# Altium PCB can_gateway_v3s_hardwave.PcbDoc (part 1 of 2)
Units mil, origin at the board's own origin, x right, y up, seen from the top; angles counter-clockwise.
Board outline 3937.01 x 2637.8 mil, 2 copper layers (Top Layer, Bottom Layer); 219 components, 180 nets, 793 pads, 179 vias.
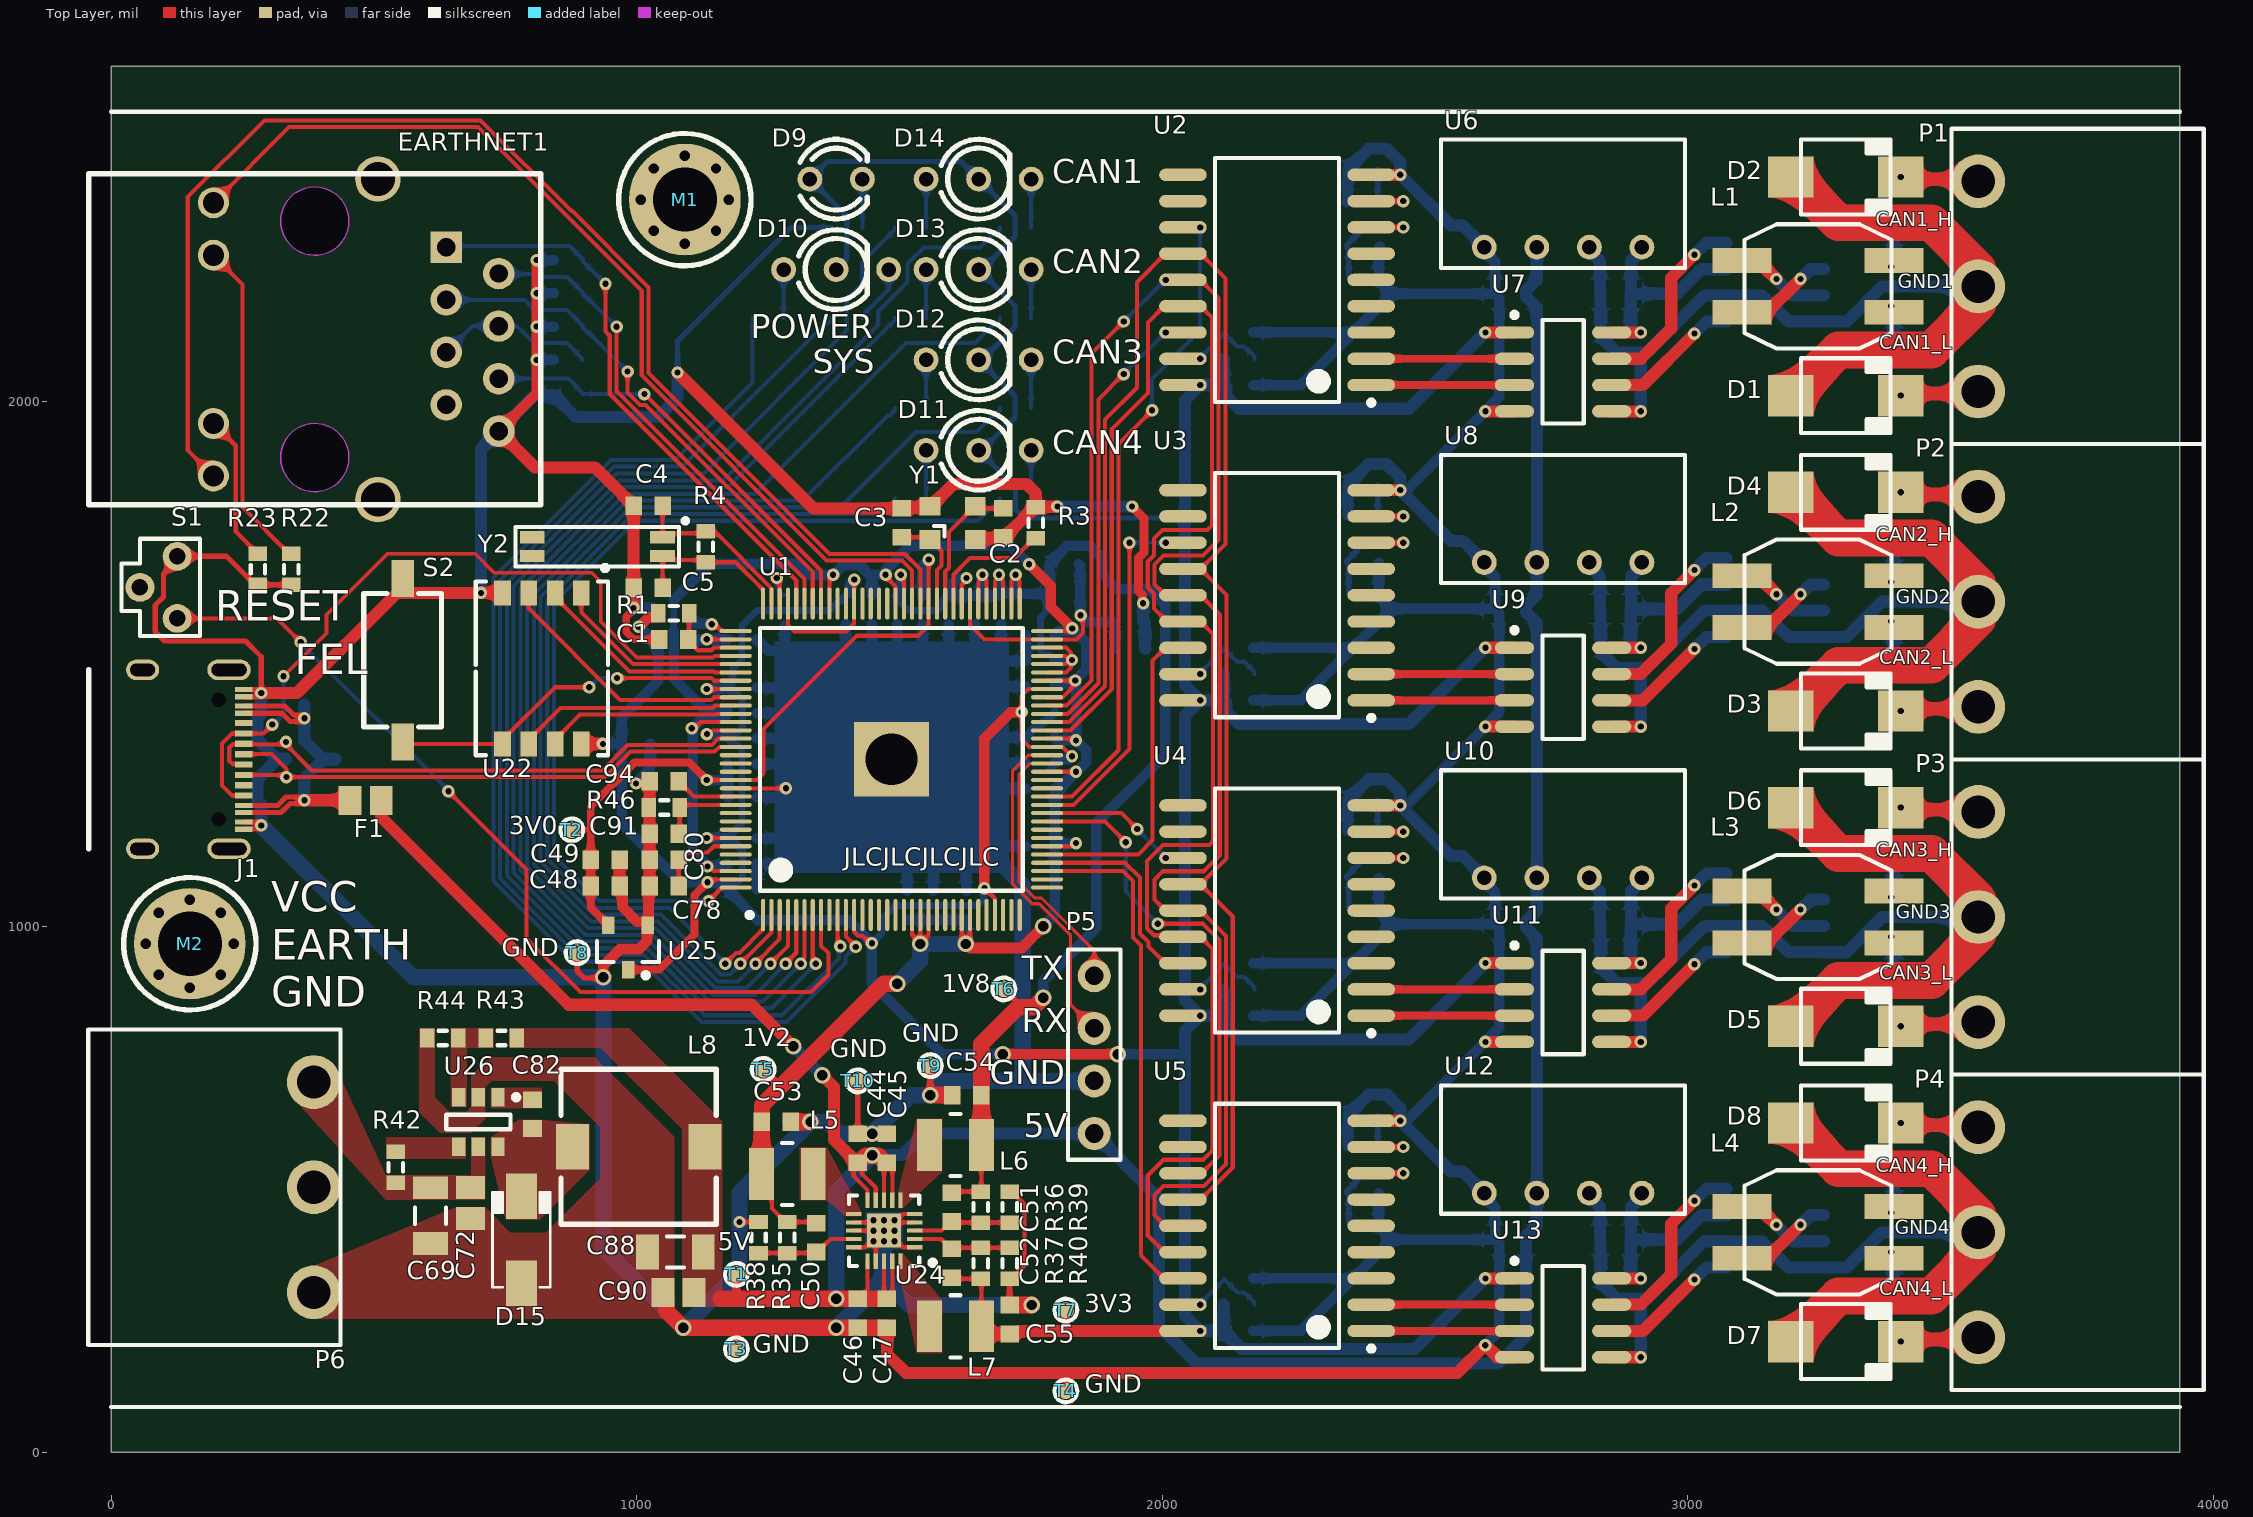
[diagram p0: Top Layer view]
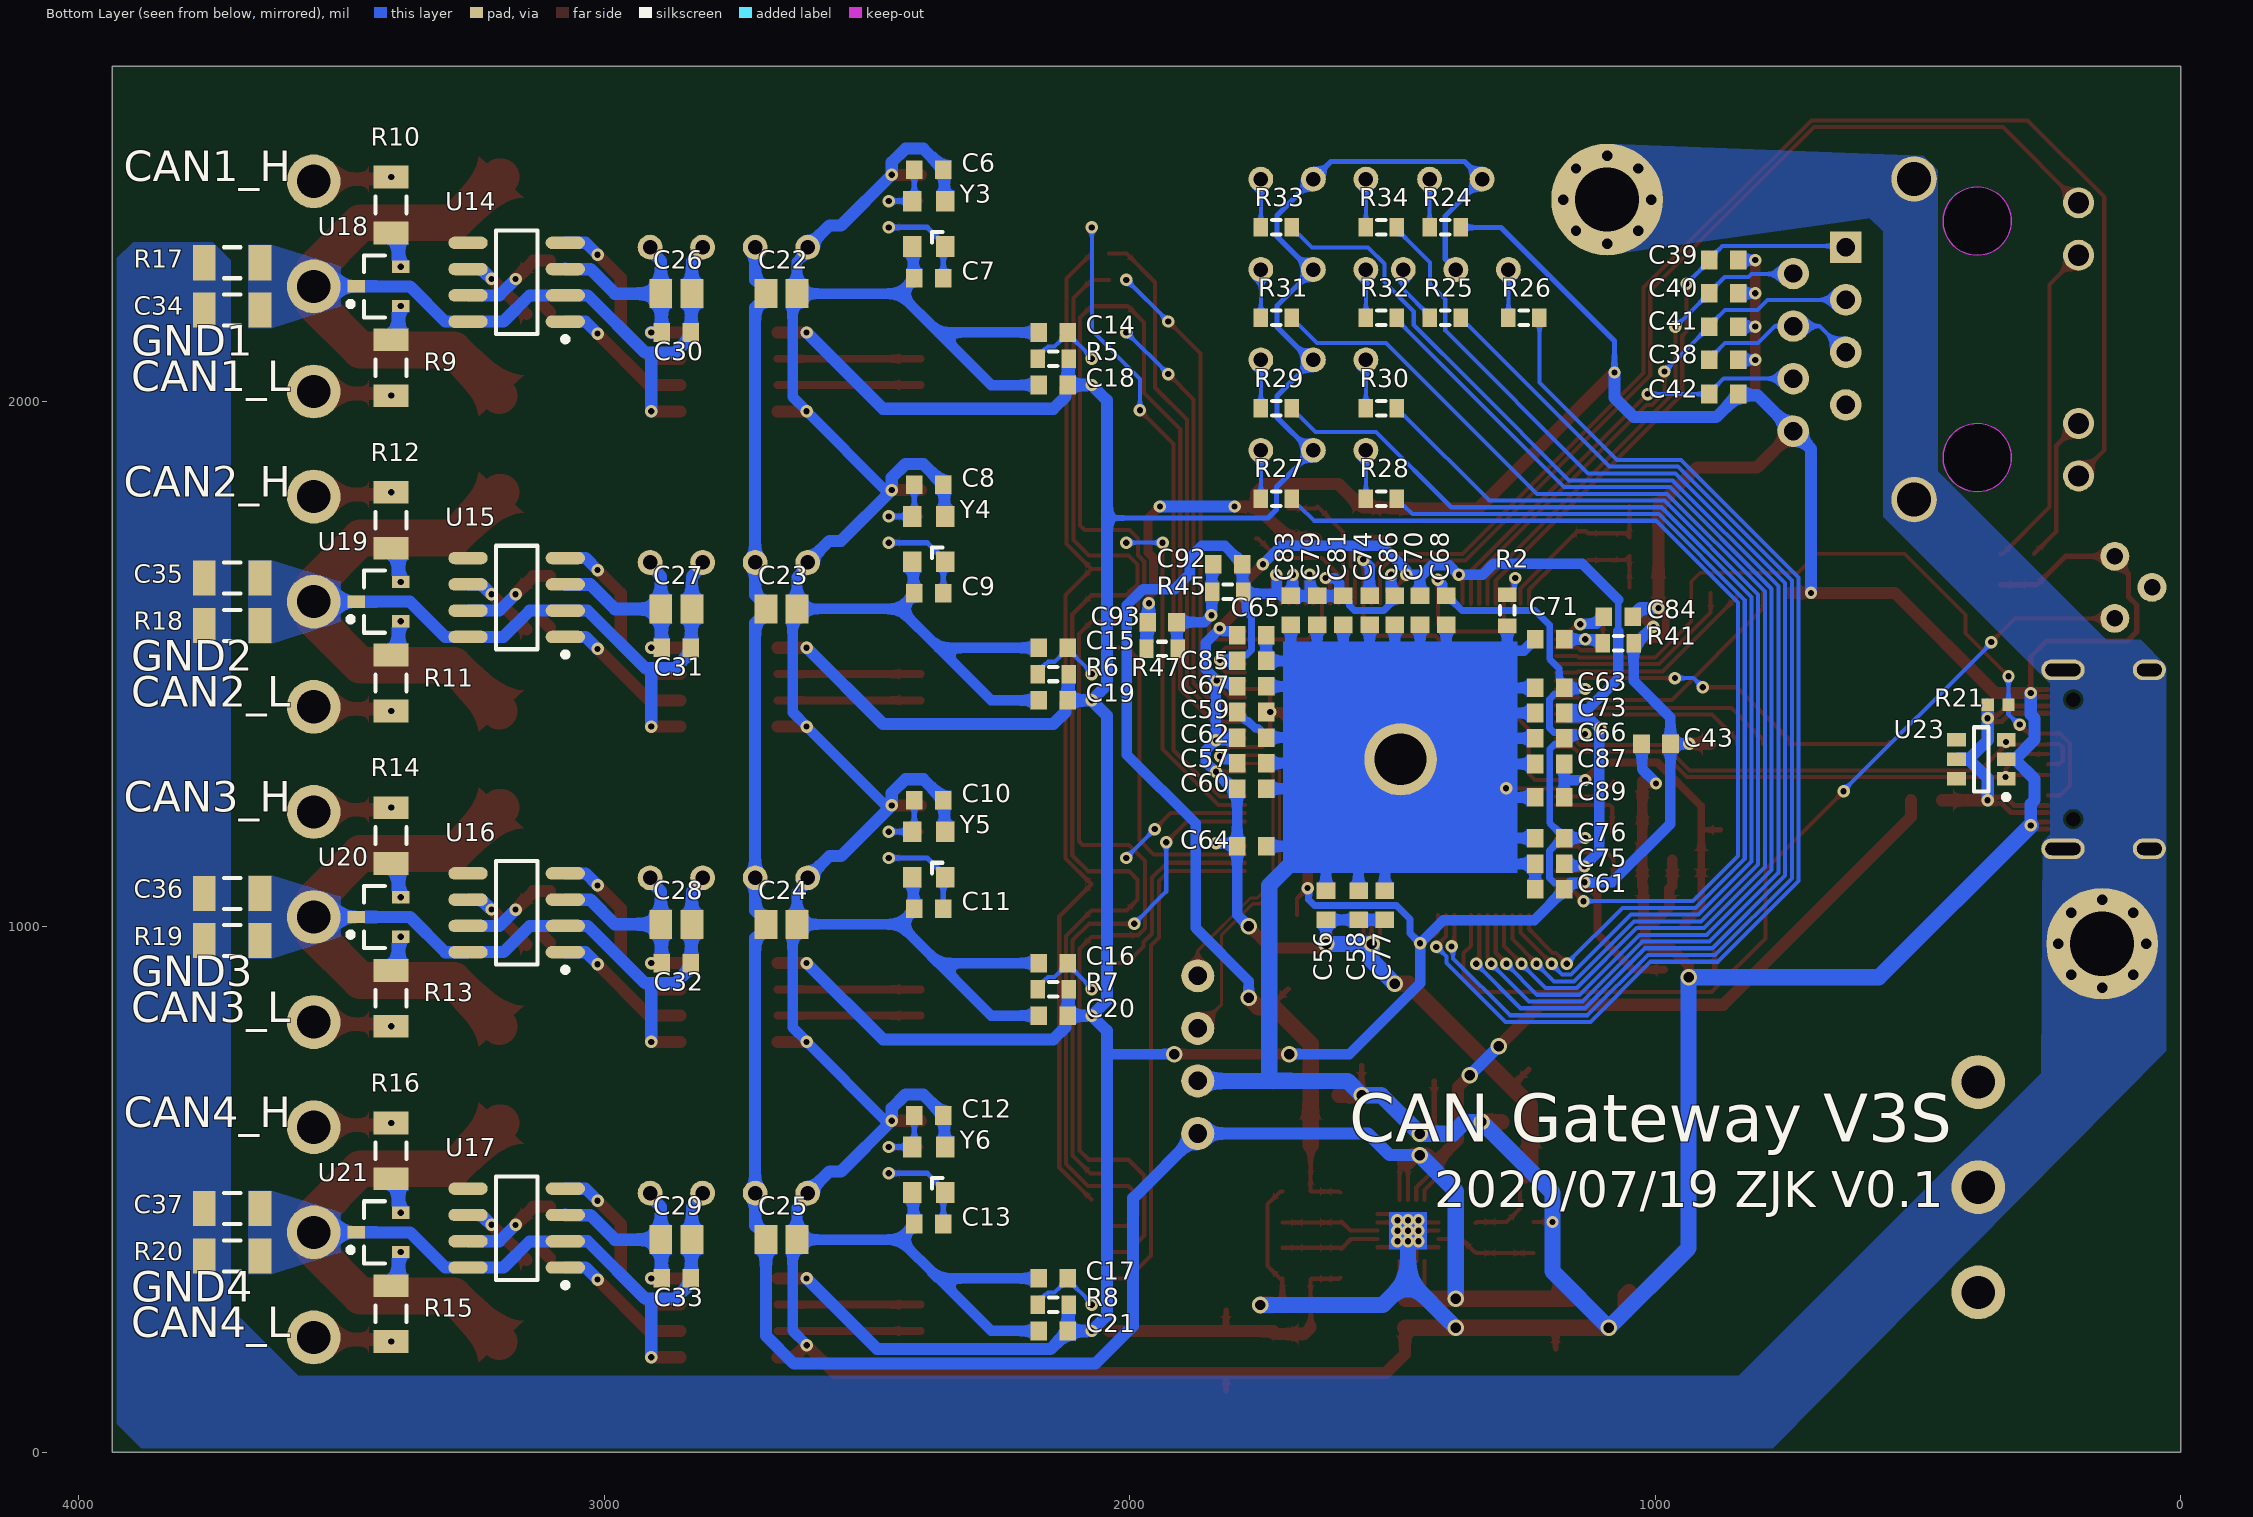
[diagram p1: Bottom Layer view, seen from below]

## Layer stack, top to bottom
Top Solder: solder mask 0.4, Solder Resist, Dk 3.5
Top Layer: signal copper 1.4
Dielectric 1: dielectric 12.6, FR-4, Dk 4.8
Bottom Layer: signal copper 1.4
Bottom Solder: solder mask 0.4, Solder Resist, Dk 3.5

## Board outline
0,0 0,2637.8 3937.01,2637.8 3937.01,0
cut-out: 387.76,1828.22 cw(c387.76,1893.18) 322.8,1893.18 cw(c387.76,1893.18) 387.76,1958.14 cw(c387.76,1893.18) 452.72,1893.18 cw(c387.76,1893.18)
cut-out: 387.76,2278.22 cw(c387.76,2343.18) 322.8,2343.18 cw(c387.76,2343.18) 387.76,2408.14 cw(c387.76,2343.18) 452.72,2343.18 cw(c387.76,2343.18)

## Design rules (kind name [scope] priority, off if disabled: settings)
Clearance [All] p1: gap=5 ignorepadtopadclearanceinfootprint=FALSE
PlaneConnect [All] p1: planeconnectstyle=Direct reliefexpansion=20 reliefentries=4 reliefconductorwidth=10 reliefairgap=10
PolygonConnect [All] p1: connectstyle=Direct reliefconductorwidth=10 reliefentries=4 polygonreliefangle="90 Angle" airgapwidth=10
RoutingVias [All] p1: holewidth=11.81 width=23.62 viastyle="Through Hole" minholewidth=11.81 minwidth=23.62 maxholewidth=118.11 maxwidth=236.22
SolderMaskExpansion [All] p1: expansion=4
Width [All] p1: maxlimit=100 minlimit=5 preferedwidth=6
29 further rules are at their usual default settings.

## Classes and differential pairs
component class U_misc: C38 C39 C40 C41 C42 C43 D9 D10 D11 D12 D13 D14 EARTHNET1 F1 J1 M1 M2 P1 P2 P3 P4 P5 P6 R21 R22 R23 R24 R25 R26 R27 R28 R29 R30 R31 R32 R33 R34 S1 S2 U22 U23
component class U_can: C6 C7 C8 C9 C10 C11 C12 C13 C14 C15 C16 C17 C18 C19 C20 C21 C22 C23 C24 C25 C26 C27 C28 C29 C30 C31 C32 C33 C34 C35 C36 C37 D1 D2 D3 D4 D5 D6 D7 D8 L1 L2 L3 L4 R5 R6 R7 R8 R9 R10 R11 R12 R13 R14 R15 R16 R17 R18 R19 R20 U2 U3 U4 U5 U6 U7 U8 U9 U10 U11 U12 U13 U14 U15 U16 U17 U18 U19 U20 U21 Y3 Y4 Y5 Y6
net class SDC1_D[0..3]: SDC1_D0 SDC1_D1 SDC1_D2 SDC1_D3
net class SDC0_D[0..3]: SDC0_D0 SDC0_D1 SDC0_D2 SDC0_D3
net class LCD_D[0..23]: LCD_D0 LCD_D1 LCD_D2 LCD_D3 LCD_D4 LCD_D5 LCD_D6 LCD_D7 LCD_D8 LCD_D9 LCD_D10 LCD_D11 LCD_D12 LCD_D13 LCD_D14 LCD_D15 LCD_D16 LCD_D17 LCD_D18 LCD_D19 LCD_D20 LCD_D21 LCD_D22 LCD_D23
component class U_v3s: C1 C2 C3 C4 C5 R1 R2 R3 R4 U1 Y1 Y2
component class U_power: C44 C45 C46 C47 C48 C49 C50 C51 C52 C53 C54 C55 C56 C57 C58 C59 C60 C61 C62 C63 C64 C65 C66 C67 C68 C69 C70 C71 C72 C73 C74 C75 C76 C77 C78 C79 C80 C81 C82 C83 C84 C85 C86 C87 C88 C89 C90 C91 C92 C93 C94 D15 L5 L6 L7 L8 R35 R36 R37 R38 R39 R40 R41 R42 R43 R44 R45 R46 R47 T1 T2 T3 T4 T5 T6 T7 T8 T9 T10 U24 U25 U26

## Components (designator, comment, footprint, x,y, rotation, side; value= is the part's Value field where it differs from the comment)
C1 "1uF" CAPC1608L 1070.46,1547 r0 top
C2 "6pF" CAPC1608L 1698,1768.75 r90 top
C3 "6pF" CAPC1608L 1505,1768.75 r90 top
C4 "6pF" CAPC1608L 1022.01,1801.2 r180 top
C5 "6pF" CAPC1608L 1022.01,1645.77 r180 top
C6 "6pF" CAPC1608L 2382.78,2441.18 r0 bottom
C7 "6pF" CAPC1608L 2382.78,2234.69 r0 bottom
C8 "6pF" CAPC1608L 2382.78,1841.18 r0 bottom
C9 "6pF" CAPC1608L 2382.78,1634.69 r0 bottom
C10 "6pF" CAPC1608L 2382.78,1241.18 r0 bottom
C11 "6pF" CAPC1608L 2382.78,1034.69 r0 bottom
C12 "6pF" CAPC1608L 2382.78,641.18 r0 bottom
C13 "6pF" CAPC1608L 2382.78,434.69 r0 bottom
C14 "1uF" CAPC1608L 2146.15,2131.18 r180 bottom
C15 "1uF" CAPC1608L 2146.15,1531.18 r180 bottom
C16 "1uF" CAPC1608L 2146.15,931.18 r180 bottom
C17 "1uF" CAPC1608L 2146.15,331.18 r180 bottom
C18 "100nF" CAPC1608L 2146.15,2031.18 r180 bottom
C19 "100nF" CAPC1608L 2146.15,1431.18 r180 bottom
C20 "100nF" CAPC1608L 2146.15,831.18 r180 bottom
C21 "100nF" CAPC1608L 2146.15,231.18 r180 bottom
C22 "4.7uF" CAPC2012L 2663.15,2205 r0 bottom
C23 "4.7uF" CAPC2012L 2663.15,1604.99 r0 bottom
C24 "4.7uF" CAPC2012L 2663.15,1004.99 r0 bottom
C25 "4.7uF" CAPC2012L 2663.15,404.99 r0 bottom
C26 "10uF" CAPC2012L 2863.15,2205 r0 bottom
C27 "10uF" CAPC2012L 2863.15,1604.99 r0 bottom
C28 "10uF" CAPC2012L 2863.15,1004.99 r0 bottom
C29 "10uF" CAPC2012L 2863.15,404.99 r0 bottom
C30 "100nF" CAPC1608L 2863.15,2131.18 r180 bottom
C31 "100nF" CAPC1608L 2863.15,1531.18 r180 bottom
C32 "100nF" CAPC1608L 2863.15,931.18 r180 bottom
C33 "100nF" CAPC1608L 2863.15,331.18 r180 bottom
C34 "1nF/2kV" CAPC3216L 3708.35,2173.9 r0 bottom
C35 "1nF/2kV" CAPC3216L 3708.35,1663.9 r0 bottom
C36 "1nF/2kV" CAPC3216L 3708.35,1063.9 r0 bottom
C37 "1nF/2kV" CAPC3216L 3708.35,463.9 r0 bottom
C38 "22nF" CAPC1608L 870,2079 r0 bottom
C39 "10pF" CAPC1608L 870,2269 r0 bottom
C40 "10pF" CAPC1608L 870,2205.67 r0 bottom
C41 "10pF" CAPC1608L 870,2142.33 r0 bottom
C42 "10pF" CAPC1608L 870,2014 r0 bottom
C43 "100nF" CAPC1608L 999,1348.3 r0 bottom
C44 "10uF" CAPC1608L 1421,578.94 r90 top
C45 "10uF" CAPC1608L 1476,578.5 r90 top
C46 "10uF" CAPC1608L 1421,264.94 r270 top
C47 "10uF" CAPC1608L 1476,264.94 r270 top
C48 "10uF" CAPC1608L 940.41,1077.98 r180 top
C49 "100nF" CAPC1608L 940.41,1127.75 r180 top
C50 "18pF" CAPC1608L 1342.08,409 r90 top
C51 "18pF" CAPC1608L 1599.94,467 r90 top
C52 "18pF" CAPC1608L 1599.94,360 r270 top
C53 "10uF" CAPC1608L 1266,629 r180 top
C54 "10uF" CAPC1608L 1628.65,680 r0 top
C55 "10uF" CAPC1608L 1709.94,253 r270 top
C56 "10uF" CAPC1608L 1627,1041 r270 bottom
C57 "10uF" CAPC1608L 1768.5,1311.67 r0 bottom
C58 "1uF" CAPC1608L 1565,1041 r270 bottom
C59 "1uF" CAPC1608L 1768.5,1409 r180 bottom
C60 "1uF" CAPC1608L 1768.5,1263 r0 bottom
C61 "100nF" CAPC1608L 1201.57,1072 r180 bottom
C62 "100nF" CAPC1608L 1768.5,1360.33 r0 bottom
C63 "100nF" CAPC1608L 1201.57,1455 r180 bottom
C64 "100nF" CAPC1608L 1768.5,1153.54 r0 bottom
C65 "10uF" CAPC1608L 1768.5,1555 r0 bottom
C66 "100nF" CAPC1608L 1201.57,1359 r180 bottom
C67 "1uF" CAPC1608L 1768.5,1457.67 r0 bottom
C68 "100nF" CAPC1608L 1398,1602.36 r90 bottom
C69 "4.7uF" CAPC3216L 608,450.7 r90 top
C70 "1uF" CAPC1608L 1448,1602.36 r90 bottom
C71 "100nF" CAPC1608L 1201.57,1547.24 r180 bottom
C72 "0.1uF" CAPC2012L 684,474.7 r90 top
C73 "100nF" CAPC1608L 1201.57,1407 r180 bottom
C74 "100nF" CAPC1608L 1544,1602.36 r90 bottom
C75 "100nF" CAPC1608L 1201.57,1120 r180 bottom
C76 "100nF" CAPC1608L 1201.57,1169 r180 bottom
C77 "100nF" CAPC1608L 1515,1041 r270 bottom
C78 "10uF" CAPC1608L 1052.69,1078 r0 top
C79 "10uF" CAPC1608L 1643.95,1602.36 r90 bottom
C80 "100nF" CAPC1608L 1052.69,1127.75 r0 top
C81 "1uF" CAPC1608L 1593.9,1602.36 r90 bottom
C82 "0.1uF" CAPC1608L 802,644 r90 top
C83 "1uF" CAPC1608L 1694,1602.36 r90 bottom
C84 "10uF" CAPC1608L 1071,1590 r0 bottom
C85 "100nF" CAPC1608L 1768.5,1506.33 r0 bottom
C86 "100nF" CAPC1608L 1496,1602.36 r90 bottom
C87 "10uF" CAPC1608L 1201.57,1310.04 r180 bottom
C88 "22uF" CAPC3216L 1074,381.7 r0 top
C89 "100nF" CAPC1608L 1201.57,1246.61 r180 bottom
C90 "0.1uF" CAPC2012L 1080,304.7 r0 top
C91 "10uF" CAPC1608L 1052.69,1177.5 r0 top
C92 "100nF" CAPC1608L 1814,1690 r180 bottom
C93 "100nF" CAPC1608L 1939,1580 r180 bottom
C94 "1uF" CAPC1608L 1052.69,1277 r0 top
D1 "SMBJ5.0A" DO-214AA 3301.11,2011 r0 top
D2 "SMBJ5.0A" DO-214AA 3301.11,2427 r0 top
D3 "SMBJ5.0A" DO-214AA 3301.11,1411 r0 top
D4 "SMBJ5.0A" DO-214AA 3301.11,1827 r0 top
D5 "SMBJ5.0A" DO-214AA 3301.11,811 r0 top
D6 "SMBJ5.0A" DO-214AA 3301.11,1227 r0 top
D7 "SMBJ5.0A" DO-214AA 3301.11,211 r0 top
D8 "SMBJ5.0A" DO-214AA 3301.11,627 r0 top
D9 "LED1" LED_3 1379.82,2423 r0 top
D10 "LEDx2_CA" LED_3x2 1379.82,2251 r0 top
D11 "LEDx2_CA" LED_3x2 1651,1907 r0 top
D12 "LEDx2_CA" LED_3x2 1651,2079 r0 top
D13 "LEDx2_CA" LED_3x2 1651,2251 r0 top
D14 "LEDx2_CA" LED_3x2 1651,2423 r0 top
D15 "B340A-E3-61T" DO-214AC 781,404.7 r90 top
EARTHNET1 "HR911105A" HR911105A 387.76,2118.14 r90 top
F1 "0.5A 6V" FUSE2012L 484.53,1241 r0 top
J1 "USB_TYPE_C_16P" USB_TYPEC_16P 303.43,1390.75 r270 top
L1 "B82793S0513N201" IND0163-B 3393.08,2268.11 r180 top
L2 "B82793S0513N201" IND0163-B 3393.08,1668.11 r180 top
L3 "B82793S0513N201" IND0163-B 3393.08,1068.11 r180 top
L4 "B82793S0513N201" IND0163-B 3393.08,468.11 r180 top
L5 "SWPA3012S2R2MT" IND3012_L 1287,530 r180 top
L6 "SWPA3012S2R2MT" IND3012_L 1607,585 r0 top
L7 "SWPA3012S2R2MT" IND3012_L 1607,240 r0 top
L8 "CDRH74R 10uH" IND_7545 878,581.7 r0 top
M1 "M" M3 1092,2384 r0 top
M2 "M" M3 150,968 r0 top
P1 "Header 3" KF2EDGR-5.08-3P_S 3553.15,2418.9 r270 top
P2 "Header 3" KF2EDGR-5.08-3P_S 3553.15,1818.9 r270 top
P3 "Header 3" KF2EDGR-5.08-3P_S 3553.15,1218.9 r270 top
P4 "Header 3" KF2EDGR-5.08-3P_S 3553.15,618.9 r270 top
P5 "Header 4" HDR1X4 1871,607 r90 top
P6 "Header 3" KF2EDGR-5.08-3P_S 385.83,304.71 r90 top
R1 "47K" RESC1608L 1070.46,1597.18 r0 top
R2 "6K" RESC1608L 1282,1602.36 r90 bottom
R3 "240Ω" RESC1608L 1760,1768.75 r270 top
R4 "10M" RESC1608L 1132,1723.49 r90 top
R5 "47K" RESC1608L 2146.15,2081.18 r0 bottom
R6 "47K" RESC1608L 2146.15,1481.18 r0 bottom
R7 "47K" RESC1608L 2146.15,881.18 r0 bottom
R8 "47K" RESC1608L 2146.15,281.18 r0 bottom
R9 "2.7R" RESC3216L 3405.87,2064.15 r90 bottom
R10 "2.7R" RESC3216L 3405.87,2373.85 r270 bottom
R11 "2.7R" RESC3216L 3405.87,1464.15 r90 bottom
R12 "2.7R" RESC3216L 3405.87,1773.85 r270 bottom
R13 "2.7R" RESC3216L 3405.87,864.15 r90 bottom
R14 "2.7R" RESC3216L 3405.87,1173.85 r270 bottom
R15 "2.7R" RESC3216L 3405.87,264.15 r90 bottom
R16 "2.7R" RESC3216L 3405.87,573.85 r270 bottom
R17 "1MR" RESC3216L 3708.35,2263.9 r180 bottom
R18 "1MR" RESC3216L 3708.35,1573.9 r180 bottom
R19 "1MR" RESC3216L 3708.35,973.9 r180 bottom
R20 "1MR" RESC3216L 3708.35,373.9 r180 bottom
R21 "56K" RESC1005L 348,1423 r0 bottom
R22 "510R" RESC1608L 343.03,1680.59 r90 top
R23 "510R" RESC1608L 279.6,1680.59 r90 top
R24 "1.5K" RESC1608L 1400.29,2331.09 r180 bottom
R25 "270R" RESC1608L 1400.29,2159.09 r180 bottom
R26 "110R" RESC1608L 1250.29,2159.09 r180 bottom
R27 "270R" RESC1608L 1721.47,1815.11 r180 bottom
R28 "110R" RESC1608L 1521.47,1815.11 r180 bottom
R29 "270R" RESC1608L 1721.47,1987.09 r180 bottom
R30 "110R" RESC1608L 1521.47,1987.09 r180 bottom
R31 "270R" RESC1608L 1721.47,2159.09 r180 bottom
R32 "110R" RESC1608L 1521.47,2159.09 r180 bottom
R33 "270R" RESC1608L 1721.47,2331.09 r180 bottom
R34 "110R" RESC1608L 1521.47,2331.09 r180 bottom
R35 "150K" RESC1608L 1287.08,409 r90 top
R36 "200K" RESC1608L 1654.94,467 r90 top
R37 "680K" RESC1608L 1654.94,360 r270 top
R38 "150K" RESC1608L 1232.08,409 r270 top
R39 "100K" RESC1608L 1709.94,467 r270 top
R40 "150K" RESC1608L 1709.94,360 r90 top
R41 "0Ω" RESC1608L 1071,1540 r0 bottom
R42 "100K" RESC1608L 542,542.7 r270 top
R43 "43K" RESC1608L 743,788.7 r0 top
R44 "8.2K" RESC1608L 631,788.7 r0 top
R45 "2K" RESC1608L 1814,1638 r0 bottom
R46 "200K" RESC1608L 1052.69,1227.25 r0 top
R47 "2K" RESC1608L 1939,1529 r0 bottom
S1 "SW-PB" SW_4.5x3.8 90.55,1646.18 r270 top
S2 "SW-PB" SW-3x6 555,1663 r270 top
T1 "TEST_POINT" TEST_POINT_0.8 1190,339 r0 top
T2 "TEST_POINT" TEST_POINT_0.8 876.78,1184.78 r180 top
T3 "TEST_POINT" TEST_POINT_0.8 1190,197 r0 top
T4 "TEST_POINT" TEST_POINT_0.8 1817,117 r0 top
T5 "TEST_POINT" TEST_POINT_0.8 1241,729 r0 top
T6 "TEST_POINT" TEST_POINT_0.8 1699,882 r0 top
T7 "TEST_POINT" TEST_POINT_0.8 1817,271 r0 top
T8 "TEST_POINT" TEST_POINT_0.8 887,951 r0 top
T9 "TEST_POINT" TEST_POINT_0.8 1559,736 r0 top
T10 "TEST_POINT" TEST_POINT_0.8 1421,707 r90 top
U1 "V3S" V3S_L 1485.04,1318.9 r90 top
U2 "MCP2515-I/SO" SOIC18_N 2218.91,2231.18 r180 top
U3 "MCP2515-I/SO" SOIC18_N 2218.91,1631.18 r180 top
U4 "MCP2515-I/SO" SOIC18_N 2218.91,1031.18 r180 top
U5 "MCP2515-I/SO" SOIC18_N 2218.91,431.18 r180 top
U6 "B_S-1WR2" B_S-1WR2 2613.15,2293.54 r0 top
U7 "ADUM1201ARZ" SOIC8_L 2763.15,2056.18 r0 top
U8 "B_S-1WR2" B_S-1WR2 2613.15,1693.54 r0 top
U9 "ADUM1201ARZ" SOIC8_L 2763.15,1456.18 r0 top
U10 "B_S-1WR2" B_S-1WR2 2613.15,1093.54 r0 top
U11 "ADUM1201ARZ" SOIC8_L 2763.15,856.18 r0 top
U12 "B_S-1WR2" B_S-1WR2 2613.15,493.54 r0 top
U13 "ADUM1201ARZ" SOIC8_L 2763.15,256.18 r0 top
U14 "TJA1042T" SOIC8_L 3167,2226.87 r0 bottom
U15 "TJA1042T" SOIC8_L 3167,1626.87 r0 bottom
U16 "TJA1042T" SOIC8_L 3167,1026.87 r0 bottom
U17 "TJA1042T" SOIC8_L 3167,426.87 r0 bottom
U18 "SM712" SOT23_L 3430,2218.9 r0 bottom
U19 "SM712" SOT23_L 3430,1618.9 r0 bottom
U20 "SM712" SOT23_L 3430,1018.9 r0 bottom
U21 "SM712" SOT23_L 3430,418.9 r0 bottom
U22 "SD NAND" QFN8_L 820,1492 r270 top
U23 "SRV05-4" SOT23-6_L 380,1319 r0 bottom
U24 "EA3036" QFN20_L 1471,422 r180 top
U25 "XC6206" SOT23_L 984,961 r270 top
U26 "MP2359" SOT23-6_L 699,628.7 r270 top
Y1 "24MHz" XTAL-3225 1601.57,1768.75 r0 top
Y2 "MC-146" MC-146 1049.57,1741.2 r180 top
Y3 "24MHz" XTAL-3225 2382.78,2337.93 r90 bottom
Y4 "24MHz" XTAL-3225 2382.78,1737.93 r90 bottom
Y5 "24MHz" XTAL-3225 2382.78,1137.93 r90 bottom
Y6 "24MHz" XTAL-3225 2382.78,537.93 r90 bottom
